# Altium PCB TemperatureController(betaV1.0).PcbDoc (part 1 of 3) (continued)
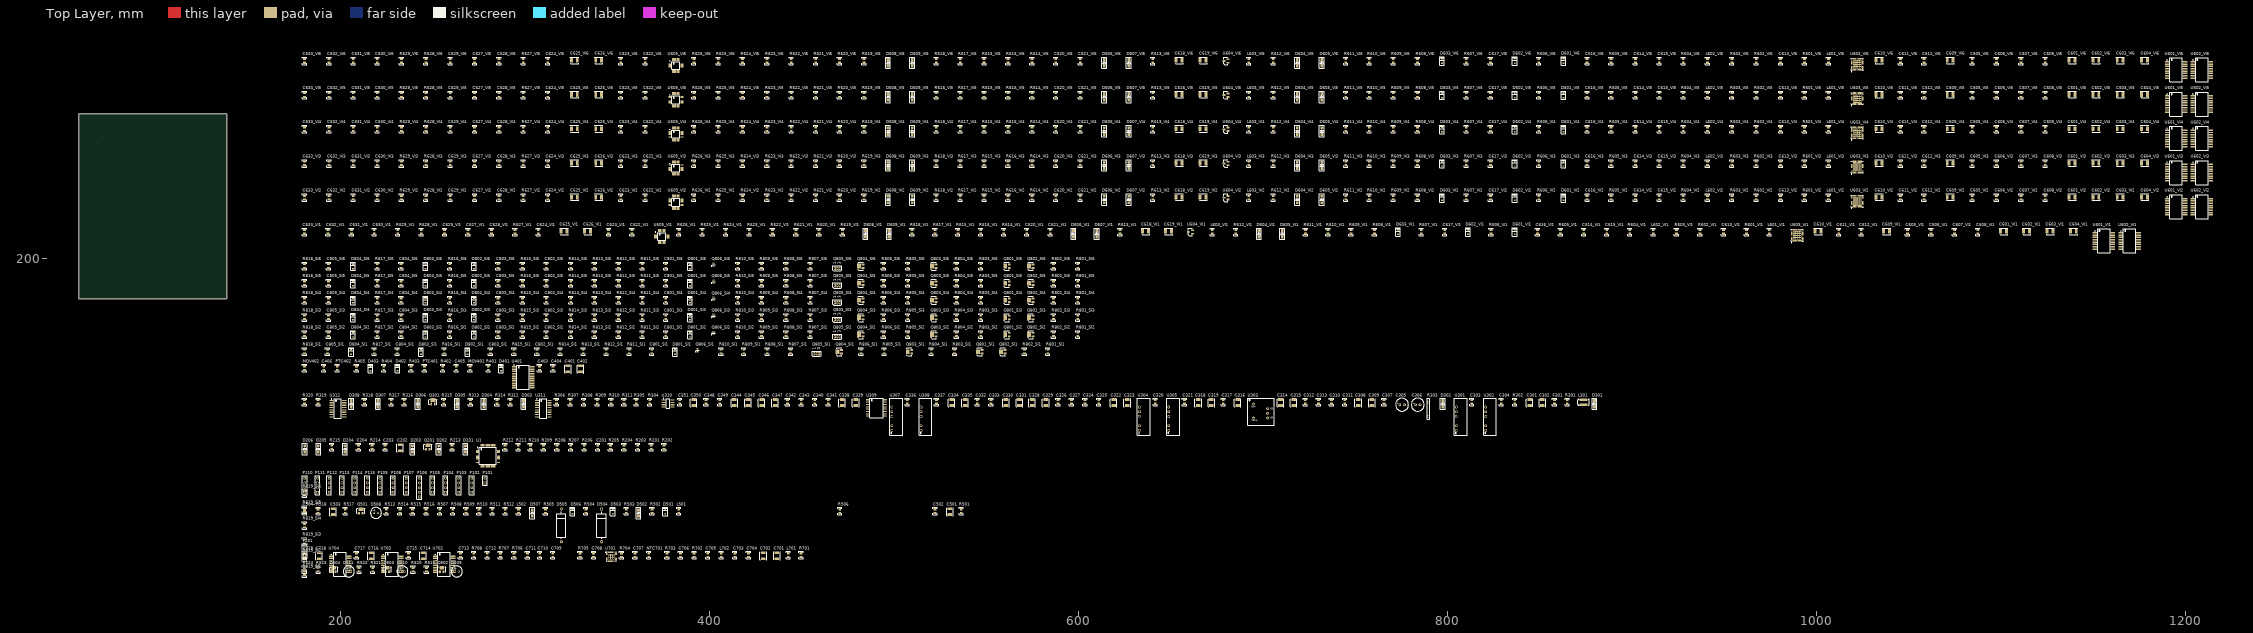
[diagram p0: Top Layer view]
## Components (designator, comment, footprint, x,y, rotation, side; value= is the part's Value field where it differs from the comment) (continued)
C608_VI2 "CC0805MRX7R9BB104" 0805c 1124.077,231.902 r90 top value=0.1uF (schematic designator C608)
C608_VI3 "CC0805MRX7R9BB104" 0805c 1124.077,250.444 r90 top value=0.1uF (schematic designator C608)
C608_VI4 "CC0805MRX7R9BB104" 0805c 1124.077,268.986 r90 top value=0.1uF (schematic designator C608)
C608_VI5 "CC0805MRX7R9BB104" 0805c 1124.077,287.528 r90 top value=0.1uF (schematic designator C608)
C608_VI6 "CC0805MRX7R9BB104" 0805c 1124.077,306.07 r90 top value=0.1uF (schematic designator C608)
C609_VI1 "T494B476K025ATAUTO" CB 1036.32,214.63 r90 top value=47uF (schematic designator C609)
C609_VI2 "T494B476K025ATAUTO" CB 1070.864,233.172 r90 top value=47uF (schematic designator C609)
C609_VI3 "T494B476K025ATAUTO" CB 1070.864,251.714 r90 top value=47uF (schematic designator C609)
C609_VI4 "T494B476K025ATAUTO" CB 1070.864,270.256 r90 top value=47uF (schematic designator C609)
C609_VI5 "T494B476K025ATAUTO" CB 1070.864,288.798 r90 top value=47uF (schematic designator C609)
C609_VI6 "T494B476K025ATAUTO" CB 1070.864,307.34 r90 top value=47uF (schematic designator C609)
C610_VI1 "T494B476K025ATAUTO" CB 999.236,214.63 r90 top value=47uF (schematic designator C610)
C610_VI2 "T494B476K025ATAUTO" CB 1032.256,233.172 r90 top value=47uF (schematic designator C610)
C610_VI3 "T494B476K025ATAUTO" CB 1032.256,251.714 r90 top value=47uF (schematic designator C610)
C610_VI4 "T494B476K025ATAUTO" CB 1032.256,270.256 r90 top value=47uF (schematic designator C610)
C610_VI5 "T494B476K025ATAUTO" CB 1032.256,288.798 r90 top value=47uF (schematic designator C610)
C610_VI6 "T494B476K025ATAUTO" CB 1032.256,307.34 r90 top value=47uF (schematic designator C610)
C611_VI1 "CC0805MRX7R9BB104" 0805c 1012.063,213.36 r90 top value=0.1uF (schematic designator C611)
C611_VI2 "CC0805MRX7R9BB104" 0805c 1045.591,231.902 r90 top value=0.1uF (schematic designator C611)
C611_VI3 "CC0805MRX7R9BB104" 0805c 1045.591,250.444 r90 top value=0.1uF (schematic designator C611)
C611_VI4 "CC0805MRX7R9BB104" 0805c 1045.591,268.986 r90 top value=0.1uF (schematic designator C611)
C611_VI5 "CC0805MRX7R9BB104" 0805c 1045.591,287.528 r90 top value=0.1uF (schematic designator C611)
C611_VI6 "CC0805MRX7R9BB104" 0805c 1045.591,306.07 r90 top value=0.1uF (schematic designator C611)
C612_VI1 "CC0805MRX7R9BB104" 0805c 1024.255,213.36 r90 top value=0.1uF (schematic designator C612)
C612_VI2 "CC0805MRX7R9BB104" 0805c 1058.291,231.902 r90 top value=0.1uF (schematic designator C612)
C612_VI3 "CC0805MRX7R9BB104" 0805c 1058.291,250.444 r90 top value=0.1uF (schematic designator C612)
C612_VI4 "CC0805MRX7R9BB104" 0805c 1058.291,268.986 r90 top value=0.1uF (schematic designator C612)
C612_VI5 "CC0805MRX7R9BB104" 0805c 1058.291,287.528 r90 top value=0.1uF (schematic designator C612)
C612_VI6 "CC0805MRX7R9BB104" 0805c 1058.291,306.07 r90 top value=0.1uF (schematic designator C612)
C613_VI1 "" 0805c 949.579,213.36 r90 top value=2.2uF (schematic designator C613)
C613_VI2 "" 0805c 980.567,231.902 r90 top value=2.2uF (schematic designator C613)
C613_VI3 "" 0805c 980.567,250.444 r90 top value=2.2uF (schematic designator C613)
C613_VI4 "" 0805c 980.567,268.986 r90 top value=2.2uF (schematic designator C613)
C613_VI5 "" 0805c 980.567,287.528 r90 top value=2.2uF (schematic designator C613)
C613_VI6 "" 0805c 980.567,306.07 r90 top value=2.2uF (schematic designator C613)
C614_VI1 "" 0805c 873.887,213.36 r90 top value=22nF (schematic designator C614)
C614_VI2 "" 0805c 901.827,231.902 r90 top value=22nF (schematic designator C614)
C614_VI3 "" 0805c 901.827,250.444 r90 top value=22nF (schematic designator C614)
C614_VI4 "" 0805c 901.827,268.986 r90 top value=22nF (schematic designator C614)
C614_VI5 "" 0805c 901.827,287.528 r90 top value=22nF (schematic designator C614)
C614_VI6 "" 0805c 901.827,306.07 r90 top value=22nF (schematic designator C614)
C615_VI1 "" 0805c 886.333,213.36 r90 top value=2.2uF (schematic designator C615)
C615_VI2 "" 0805c 914.781,231.902 r90 top value=2.2uF (schematic designator C615)
C615_VI3 "" 0805c 914.781,250.444 r90 top value=2.2uF (schematic designator C615)
C615_VI4 "" 0805c 914.781,268.986 r90 top value=2.2uF (schematic designator C615)
C615_VI5 "" 0805c 914.781,287.528 r90 top value=2.2uF (schematic designator C615)
C615_VI6 "" 0805c 914.781,306.07 r90 top value=2.2uF (schematic designator C615)
C616_VI1 "" 0805c 848.741,213.36 r90 top value=NC (schematic designator C616)
C616_VI2 "" 0805c 875.665,231.902 r90 top value=NC (schematic designator C616)
C616_VI3 "" 0805c 875.665,250.444 r90 top value=NC (schematic designator C616)
C616_VI4 "" 0805c 875.665,268.986 r90 top value=NC (schematic designator C616)
C616_VI5 "" 0805c 875.665,287.528 r90 top value=NC (schematic designator C616)
C616_VI6 "" 0805c 875.665,306.07 r90 top value=NC (schematic designator C616)
C617_VI1 "" 0805c 798.449,213.36 r90 top value=4nF (schematic designator C617)
C617_VI2 "" 0805c 823.341,231.902 r90 top value=4nF (schematic designator C617)
C617_VI3 "" 0805c 823.341,250.444 r90 top value=4nF (schematic designator C617)
C617_VI4 "" 0805c 823.341,268.986 r90 top value=4nF (schematic designator C617)
C617_VI5 "" 0805c 823.341,287.528 r90 top value=4nF (schematic designator C617)
C617_VI6 "" 0805c 823.341,306.07 r90 top value=4nF (schematic designator C617)
C618_VI1 "T494B106M006AHAUTO" CB 634.619,214.63 r90 top value=10uF (schematic designator C618)
C618_VI2 "T494B106M006AHAUTO" CB 652.78,233.172 r90 top value=10uF (schematic designator C618)
C618_VI3 "T494B106M006AHAUTO" CB 652.78,251.714 r90 top value=10uF (schematic designator C618)
C618_VI4 "T494B106M006AHAUTO" CB 652.78,270.256 r90 top value=10uF (schematic designator C618)
C618_VI5 "T494B106M006AHAUTO" CB 652.78,288.798 r90 top value=10uF (schematic designator C618)
C618_VI6 "T494B106M006AHAUTO" CB 652.78,307.34 r90 top value=10uF (schematic designator C618)
C619_VI1 "T494B106M006AHAUTO" CB 647.065,214.63 r90 top value=10uF (schematic designator C619)
C619_VI2 "T494B106M006AHAUTO" CB 665.861,233.172 r90 top value=10uF (schematic designator C619)
C619_VI3 "T494B106M006AHAUTO" CB 665.861,251.714 r90 top value=10uF (schematic designator C619)
C619_VI4 "T494B106M006AHAUTO" CB 665.861,270.256 r90 top value=10uF (schematic designator C619)
C619_VI5 "T494B106M006AHAUTO" CB 665.861,288.798 r90 top value=10uF (schematic designator C619)
C619_VI6 "T494B106M006AHAUTO" CB 665.861,307.34 r90 top value=10uF (schematic designator C619)
C620_VI1 "CC0805MRX7R9BB104" 0805c 571.881,213.36 r90 top value=0.1uF (schematic designator C620)
C620_VI2 "CC0805MRX7R9BB104" 0805c 587.629,231.902 r90 top value=0.1uF (schematic designator C620)
C620_VI3 "CC0805MRX7R9BB104" 0805c 587.629,250.444 r90 top value=0.1uF (schematic designator C620)
C620_VI4 "CC0805MRX7R9BB104" 0805c 587.629,268.986 r90 top value=0.1uF (schematic designator C620)
C620_VI5 "CC0805MRX7R9BB104" 0805c 587.629,287.528 r90 top value=0.1uF (schematic designator C620)
C620_VI6 "CC0805MRX7R9BB104" 0805c 587.629,306.07 r90 top value=0.1uF (schematic designator C620)
C621_VI1 "CC0805MRX7R9BB104" 0805c 584.581,213.36 r90 top value=0.1uF (schematic designator C621)
C621_VI2 "CC0805MRX7R9BB104" 0805c 600.837,231.902 r90 top value=0.1uF (schematic designator C621)
C621_VI3 "CC0805MRX7R9BB104" 0805c 600.837,250.444 r90 top value=0.1uF (schematic designator C621)
C621_VI4 "CC0805MRX7R9BB104" 0805c 600.837,268.986 r90 top value=0.1uF (schematic designator C621)
C621_VI5 "CC0805MRX7R9BB104" 0805c 600.837,287.528 r90 top value=0.1uF (schematic designator C621)
C621_VI6 "CC0805MRX7R9BB104" 0805c 600.837,306.07 r90 top value=0.1uF (schematic designator C621)
C622_VI1 "" 0805c 357.886,213.36 r90 top value=NC (schematic designator C622)
C622_VI2 "" 0805c 364.998,231.902 r90 top value=NC (schematic designator C622)
C622_VI3 "" 0805c 364.998,250.444 r90 top value=NC (schematic designator C622)
C622_VI4 "" 0805c 364.998,268.986 r90 top value=NC (schematic designator C622)
C622_VI5 "" 0805c 364.998,287.528 r90 top value=NC (schematic designator C622)
C622_VI6 "" 0805c 364.998,306.07 r90 top value=NC (schematic designator C622)
C623_VI1 "" 0805c 345.186,213.36 r90 top value=NC (schematic designator C623)
C623_VI2 "" 0805c 351.79,231.902 r90 top value=NC (schematic designator C623)
C623_VI3 "" 0805c 351.79,250.444 r90 top value=NC (schematic designator C623)
C623_VI4 "" 0805c 351.79,268.986 r90 top value=NC (schematic designator C623)
C623_VI5 "" 0805c 351.79,287.528 r90 top value=NC (schematic designator C623)
C623_VI6 "" 0805c 351.79,306.07 r90 top value=NC (schematic designator C623)
C624_VI1 "" 0805c 307.086,213.36 r90 top value=300pF (schematic designator C624)
C624_VI2 "" 0805c 312.166,231.902 r90 top value=300pF (schematic designator C624)
C624_VI3 "" 0805c 312.166,250.444 r90 top value=300pF (schematic designator C624)
C624_VI4 "" 0805c 312.166,268.986 r90 top value=300pF (schematic designator C624)
C624_VI5 "" 0805c 312.166,287.528 r90 top value=300pF (schematic designator C624)
C624_VI6 "" 0805c 312.166,306.07 r90 top value=300pF (schematic designator C624)
C625_VI1 "T494B106M006AHAUTO" CB 319.405,214.63 r90 top value=10uF (schematic designator C625)
C625_VI2 "T494B106M006AHAUTO" CB 324.993,233.172 r90 top value=10uF (schematic designator C625)
C625_VI3 "T494B106M006AHAUTO" CB 324.993,251.714 r90 top value=10uF (schematic designator C625)
C625_VI4 "T494B106M006AHAUTO" CB 324.993,270.256 r90 top value=10uF (schematic designator C625)
C625_VI5 "T494B106M006AHAUTO" CB 324.993,288.798 r90 top value=10uF (schematic designator C625)
C625_VI6 "T494B106M006AHAUTO" CB 324.993,307.34 r90 top value=10uF (schematic designator C625)
C626_VI1 "T494B106M006AHAUTO" CB 332.105,214.63 r90 top value=10uF (schematic designator C626)
C626_VI2 "T494B106M006AHAUTO" CB 338.201,233.172 r90 top value=10uF (schematic designator C626)
C626_VI3 "T494B106M006AHAUTO" CB 338.201,251.714 r90 top value=10uF (schematic designator C626)
C626_VI4 "T494B106M006AHAUTO" CB 338.201,270.256 r90 top value=10uF (schematic designator C626)
C626_VI5 "T494B106M006AHAUTO" CB 338.201,288.798 r90 top value=10uF (schematic designator C626)
C626_VI6 "T494B106M006AHAUTO" CB 338.201,307.34 r90 top value=10uF (schematic designator C626)
C627_VI1 "CC0805MRX7R9BB104" 0805c 268.986,213.36 r90 top value=0.1uF (schematic designator C627)
C627_VI2 "CC0805MRX7R9BB104" 0805c 272.542,231.902 r90 top value=0.1uF (schematic designator C627)
C627_VI3 "CC0805MRX7R9BB104" 0805c 272.542,250.444 r90 top value=0.1uF (schematic designator C627)
C627_VI4 "CC0805MRX7R9BB104" 0805c 272.542,268.986 r90 top value=0.1uF (schematic designator C627)
C627_VI5 "CC0805MRX7R9BB104" 0805c 272.542,287.528 r90 top value=0.1uF (schematic designator C627)
C627_VI6 "CC0805MRX7R9BB104" 0805c 272.542,306.07 r90 top value=0.1uF (schematic designator C627)
C628_VI1 "CC0805MRX7R9BB104" 0805c 281.686,213.36 r90 top value=0.1uF (schematic designator C628)
C628_VI2 "CC0805MRX7R9BB104" 0805c 285.75,231.902 r90 top value=0.1uF (schematic designator C628)
C628_VI3 "CC0805MRX7R9BB104" 0805c 285.75,250.444 r90 top value=0.1uF (schematic designator C628)
C628_VI4 "CC0805MRX7R9BB104" 0805c 285.75,268.986 r90 top value=0.1uF (schematic designator C628)
C628_VI5 "CC0805MRX7R9BB104" 0805c 285.75,287.528 r90 top value=0.1uF (schematic designator C628)
C628_VI6 "CC0805MRX7R9BB104" 0805c 285.75,306.07 r90 top value=0.1uF (schematic designator C628)
C629_VI1 "" 0805c 256.286,213.36 r90 top value=150pF (schematic designator C629)
C629_VI2 "" 0805c 259.334,231.902 r90 top value=150pF (schematic designator C629)
C629_VI3 "" 0805c 259.334,250.444 r90 top value=150pF (schematic designator C629)
C629_VI4 "" 0805c 259.334,268.986 r90 top value=150pF (schematic designator C629)
C629_VI5 "" 0805c 259.334,287.528 r90 top value=150pF (schematic designator C629)
C629_VI6 "" 0805c 259.334,306.07 r90 top value=150pF (schematic designator C629)
C630_VI1 "" 0805c 218.186,213.36 r90 top value=1uF (schematic designator C630)
C630_VI2 "" 0805c 219.71,231.902 r90 top value=1uF (schematic designator C630)
C630_VI3 "" 0805c 219.71,250.444 r90 top value=1uF (schematic designator C630)
C630_VI4 "" 0805c 219.71,268.986 r90 top value=1uF (schematic designator C630)
C630_VI5 "" 0805c 219.71,287.528 r90 top value=1uF (schematic designator C630)
C630_VI6 "" 0805c 219.71,306.07 r90 top value=1uF (schematic designator C630)
C631_VI1 "" 0805c 205.74,213.36 r90 top value=4700pF (schematic designator C631)
C631_VI2 "" 0805c 206.756,231.902 r90 top value=4700pF (schematic designator C631)
C631_VI3 "" 0805c 206.756,250.444 r90 top value=4700pF (schematic designator C631)
C631_VI4 "" 0805c 206.756,268.986 r90 top value=4700pF (schematic designator C631)
C631_VI5 "" 0805c 206.756,287.528 r90 top value=4700pF (schematic designator C631)
C631_VI6 "" 0805c 206.756,306.07 r90 top value=4700pF (schematic designator C631)
C632_VI1 "" 0805c 193.04,213.36 r90 top value=1uF (schematic designator C632)
C632_VI2 "" 0805c 193.548,231.902 r90 top value=1uF (schematic designator C632)
C632_VI3 "" 0805c 193.548,250.444 r90 top value=1uF (schematic designator C632)
C632_VI4 "" 0805c 193.548,268.986 r90 top value=1uF (schematic designator C632)
C632_VI5 "" 0805c 193.548,287.528 r90 top value=1uF (schematic designator C632)
C632_VI6 "" 0805c 193.548,306.07 r90 top value=1uF (schematic designator C632)
C633_VI1 "" 0805c 180.34,213.36 r90 top value=22nF (schematic designator C633)
C633_VI2 "" 0805c 180.34,231.902 r90 top value=22nF (schematic designator C633)
C633_VI3 "" 0805c 180.34,250.444 r90 top value=22nF (schematic designator C633)
C633_VI4 "" 0805c 180.34,268.986 r90 top value=22nF (schematic designator C633)
C633_VI5 "" 0805c 180.34,287.528 r90 top value=22nF (schematic designator C633)
C633_VI6 "" 0805c 180.34,306.07 r90 top value=22nF (schematic designator C633)
C701 "T494B106M006AHAUTO" CB 436.372,40.386 r0 top value=10uF
C702 "T494B106M006AHAUTO" CB 429.006,40.386 r0 top value=10uF
C703 "CC0805MRX7R9BB104" 0805c 413.639,38.1 r90 top value=0.1uF
C704 "CC0805MRX7R9BB104" 0805c 421.005,38.1 r90 top value=0.1uF
C705 "CC0805MRX7R9BB103" 0805c 398.907,38.1 r90 top value=0.01uF
C706 "CC0805MRX7R9BB104" 0805c 384.175,38.1 r90 top value=0.1uF
C707 "CC0805MRX7R9BB103" 0805c 359.537,38.1 r90 top value=0.01uF
C708 "CC0805MRX7R9BB104" 0805c 337.058,38.1 r90 top value=0.1uF
C709 "CC0805MRX7R9BB104" 0805c 314.96,38.1 r90 top value=0.1uF
C710 "CC0805MRX7R9BB104" 0805c 307.848,38.1 r90 top value=0.1uF
C711 "CC0805MRX7R9BB103" 0805c 301.244,38.1 r90 top value=0.01uF
C712 "CC0805MRX7R9BB104" 0805c 279.4,38.1 r90 top value=0.1uF
C713 "CC0805MRX7R9BB103" 0805c 264.922,38.1 r90 top value=0.01uF
C714 "T494B106M006AHAUTO" CB 244.602,40.386 r0 top value=10uF
C715 "CC0805MRX7R9BB104" 0805c 236.728,38.1 r90 top value=0.1uF
C716 "T494B106M006AHAUTO" CB 216.408,40.386 r0 top value=10uF
C717 "CC0805MRX7R9BB104" 0805c 208.534,38.1 r90 top value=0.1uF
C718 "T494B106M006AHAUTO" CB 188.214,40.386 r0 top value=10uF
C719 "CC0805MRX7R9BB104" 0805c 180.34,38.1 r90 top value=0.1uF
C801_SI1 "CC0805MRX7R9BB103" 0805c 368.554,148.463 r90 top value=0.01uF (schematic designator C801)
C801_SI2 "CC0805MRX7R9BB103" 0805c 376.174,157.734 r90 top value=0.01uF (schematic designator C801)
C801_SI3 "CC0805MRX7R9BB103" 0805c 376.174,167.005 r90 top value=0.01uF (schematic designator C801)
C801_SI4 "CC0805MRX7R9BB103" 0805c 376.174,176.276 r90 top value=0.01uF (schematic designator C801)
C801_SI5 "CC0805MRX7R9BB103" 0805c 376.174,185.547 r90 top value=0.01uF (schematic designator C801)
C801_SI6 "CC0805MRX7R9BB103" 0805c 376.174,194.818 r90 top value=0.01uF (schematic designator C801)
C802_SI1 "CC0805MRX7R9BB103" 0805c 306.324,148.463 r90 top value=0.01uF (schematic designator C802)
C802_SI2 "CC0805MRX7R9BB103" 0805c 311.404,157.734 r90 top value=0.01uF (schematic designator C802)
C802_SI3 "CC0805MRX7R9BB103" 0805c 311.404,167.005 r90 top value=0.01uF (schematic designator C802)
C802_SI4 "CC0805MRX7R9BB103" 0805c 311.404,176.276 r90 top value=0.01uF (schematic designator C802)
C802_SI5 "CC0805MRX7R9BB103" 0805c 311.404,185.547 r90 top value=0.01uF (schematic designator C802)
C802_SI6 "CC0805MRX7R9BB103" 0805c 311.404,194.818 r90 top value=0.01uF (schematic designator C802)
C803_SI1 "CC0805MRX7R9BB103" 0805c 281.178,148.463 r90 top value=0.01uF (schematic designator C803)
C803_SI2 "CC0805MRX7R9BB103" 0805c 285.242,157.734 r90 top value=0.01uF (schematic designator C803)
C803_SI3 "CC0805MRX7R9BB103" 0805c 285.242,167.005 r90 top value=0.01uF (schematic designator C803)
C803_SI4 "CC0805MRX7R9BB103" 0805c 285.242,176.276 r90 top value=0.01uF (schematic designator C803)
C803_SI5 "CC0805MRX7R9BB103" 0805c 285.242,185.547 r90 top value=0.01uF (schematic designator C803)
C803_SI6 "CC0805MRX7R9BB103" 0805c 285.242,194.818 r90 top value=0.01uF (schematic designator C803)
C804_SI1 "CC0805MRX7R9BB104" 0805c 230.632,148.463 r90 top value=0.1uF (schematic designator C804)
C804_SI2 "CC0805MRX7R9BB104" 0805c 232.664,157.734 r90 top value=0.1uF (schematic designator C804)
C804_SI3 "CC0805MRX7R9BB104" 0805c 232.664,167.005 r90 top value=0.1uF (schematic designator C804)
C804_SI4 "CC0805MRX7R9BB104" 0805c 232.664,176.276 r90 top value=0.1uF (schematic designator C804)
C804_SI5 "CC0805MRX7R9BB104" 0805c 232.664,185.547 r90 top value=0.1uF (schematic designator C804)
C804_SI6 "CC0805MRX7R9BB104" 0805c 232.664,194.818 r90 top value=0.1uF (schematic designator C804)
C805_SI1 "CC0805MRX7R9BB103" 0805c 192.786,148.463 r90 top value=0.01uF (schematic designator C805)
C805_SI2 "CC0805MRX7R9BB103" 0805c 193.294,157.734 r90 top value=0.01uF (schematic designator C805)
C805_SI3 "CC0805MRX7R9BB103" 0805c 193.294,167.005 r90 top value=0.01uF (schematic designator C805)
C805_SI4 "CC0805MRX7R9BB103" 0805c 193.294,176.276 r90 top value=0.01uF (schematic designator C805)
C805_SI5 "CC0805MRX7R9BB103" 0805c 193.294,185.547 r90 top value=0.01uF (schematic designator C805)
C805_SI6 "CC0805MRX7R9BB103" 0805c 193.294,194.818 r90 top value=0.01uF (schematic designator C805)
D201 "BAT41" SOD123 267.589,94.869 r90 top
D202 "BAT41" SOD123 253.111,94.869 r90 top
D203 "BAT41" SOD123 238.887,94.869 r90 top
D204 "BAT41" SOD123 202.311,94.869 r90 top
D205 "BAT41" SOD123 187.833,94.869 r90 top
D206 "BAT41" SOD123 180.467,94.869 r90 top
D301 "1N5819HW" sod123 879.602,119.38 r90 top
D302 "1N5819HW" sod123 797.433,119.38 r90 top
D303 "BAT41" SOD123 299.085,119.38 r90 top
D304 "BAT41" SOD123 277.495,119.38 r90 top
D305 "BAT41" SOD123 263.017,119.38 r90 top
D306 "BAT41" SOD123 241.681,119.38 r90 top
D307 "BAT41" SOD123 220.091,119.38 r90 top
D308 "BAT41" SOD123 205.613,119.38 r90 top
D401 "SD15CT1" sod323 286.893,139.065 r90 top
D402 "SD15CT1" sod323 230.759,139.065 r90 top
D403 "SD15CT1" sod323 216.027,139.065 r90 top
D501 "SD15CT1" sod323 375.92,61.595 r90 top
D502 "BAT41" SOD123 361.442,60.198 r90 top
D503 "SD15CT1" sod323 347.472,61.595 r90 top
D504 "BZX584C5V6" DIODE-0.7 341.376,55.245 r90 top
D505 "BZX584C5V6" DIODE-0.7 319.532,55.245 r90 top
D506 "SD15CT1" sod323 325.628,61.595 r90 top
D507 "BAT41" SOD123 303.784,60.198 r90 top
D508 "150080GS75000" LEDΦ3.0 217.932,61.976 r0 top
D509 "150080GS75000" LEDΦ3.0 261.747,30.226 r0 top
D510 "150080GS75000" LEDΦ3.0 232.283,30.226 r0 top
D511 "150080GS75000" LEDΦ3.0 203.2,30.226 r0 top
D601_VI1 "SD15CT1" sod323 836.422,212.979 r90 top (schematic designator D601)
D601_VI2 "SD15CT1" sod323 862.838,231.521 r90 top (schematic designator D601)
D601_VI3 "SD15CT1" sod323 862.838,250.063 r90 top (schematic designator D601)
D601_VI4 "SD15CT1" sod323 862.838,268.605 r90 top (schematic designator D601)
D601_VI5 "SD15CT1" sod323 862.838,287.147 r90 top (schematic designator D601)
D601_VI6 "SD15CT1" sod323 862.838,305.689 r90 top (schematic designator D601)
D602_VI1 "SD15CT1" sod323 811.022,212.979 r90 top (schematic designator D602)
D602_VI2 "SD15CT1" sod323 836.422,231.521 r90 top (schematic designator D602)
D602_VI3 "SD15CT1" sod323 836.422,250.063 r90 top (schematic designator D602)
D602_VI4 "SD15CT1" sod323 836.422,268.605 r90 top (schematic designator D602)
D602_VI5 "SD15CT1" sod323 836.422,287.147 r90 top (schematic designator D602)
D602_VI6 "SD15CT1" sod323 836.422,305.689 r90 top (schematic designator D602)
D603_VI1 "SD15CT1" sod323 773.176,212.979 r90 top (schematic designator D603)
D603_VI2 "SD15CT1" sod323 797.052,231.521 r90 top (schematic designator D603)
D603_VI3 "SD15CT1" sod323 797.052,250.063 r90 top (schematic designator D603)
D603_VI4 "SD15CT1" sod323 797.052,268.605 r90 top (schematic designator D603)
D603_VI5 "SD15CT1" sod323 797.052,287.147 r90 top (schematic designator D603)
D603_VI6 "SD15CT1" sod323 797.052,305.689 r90 top (schematic designator D603)
D604_VI1 "1N5819HW" sod123 697.738,211.582 r90 top (schematic designator D604)
D604_VI2 "1N5819HW" sod123 718.566,230.124 r90 top (schematic designator D604)
D604_VI3 "1N5819HW" sod123 718.566,248.666 r90 top (schematic designator D604)
D604_VI4 "1N5819HW" sod123 718.566,267.208 r90 top (schematic designator D604)
D604_VI5 "1N5819HW" sod123 718.566,285.75 r90 top (schematic designator D604)
D604_VI6 "1N5819HW" sod123 718.566,304.292 r90 top (schematic designator D604)
D605_VI1 "1N5819HW" sod123 710.438,211.582 r90 top (schematic designator D605)
D605_VI2 "1N5819HW" sod123 731.774,230.124 r90 top (schematic designator D605)
D605_VI3 "1N5819HW" sod123 731.774,248.666 r90 top (schematic designator D605)
D605_VI4 "1N5819HW" sod123 731.774,267.208 r90 top (schematic designator D605)
D605_VI5 "1N5819HW" sod123 731.774,285.75 r90 top (schematic designator D605)
D605_VI6 "1N5819HW" sod123 731.774,304.292 r90 top (schematic designator D605)
D606_VI1 "1N5819HW" sod123 597.154,211.582 r90 top (schematic designator D606)
D606_VI2 "1N5819HW" sod123 613.918,230.124 r90 top (schematic designator D606)
D606_VI3 "1N5819HW" sod123 613.918,248.666 r90 top (schematic designator D606)
D606_VI4 "1N5819HW" sod123 613.918,267.208 r90 top (schematic designator D606)
D606_VI5 "1N5819HW" sod123 613.918,285.75 r90 top (schematic designator D606)
D606_VI6 "1N5819HW" sod123 613.918,304.292 r90 top (schematic designator D606)
D607_VI1 "1N5819HW" sod123 609.854,211.582 r90 top (schematic designator D607)
D607_VI2 "1N5819HW" sod123 627.126,230.124 r90 top (schematic designator D607)
D607_VI3 "1N5819HW" sod123 627.126,248.666 r90 top (schematic designator D607)
D607_VI4 "1N5819HW" sod123 627.126,267.208 r90 top (schematic designator D607)
D607_VI5 "1N5819HW" sod123 627.126,285.75 r90 top (schematic designator D607)
D607_VI6 "1N5819HW" sod123 627.126,304.292 r90 top (schematic designator D607)
D608_VI1 "1N5819HW" sod123 484.505,211.582 r90 top (schematic designator D608)
D608_VI2 "1N5819HW" sod123 496.697,230.124 r90 top (schematic designator D608)
D608_VI3 "1N5819HW" sod123 496.697,248.666 r90 top (schematic designator D608)
D608_VI4 "1N5819HW" sod123 496.697,267.208 r90 top (schematic designator D608)
D608_VI5 "1N5819HW" sod123 496.697,285.75 r90 top (schematic designator D608)
D608_VI6 "1N5819HW" sod123 496.697,304.292 r90 top (schematic designator D608)
D609_VI1 "1N5819HW" sod123 497.205,211.582 r90 top (schematic designator D609)
D609_VI2 "1N5819HW" sod123 509.778,230.124 r90 top (schematic designator D609)
D609_VI3 "1N5819HW" sod123 509.778,248.666 r90 top (schematic designator D609)
D609_VI4 "1N5819HW" sod123 509.778,267.208 r90 top (schematic designator D609)
D609_VI5 "1N5819HW" sod123 509.778,285.75 r90 top (schematic designator D609)
D609_VI6 "1N5819HW" sod123 509.778,304.292 r90 top (schematic designator D609)
D801_SI1 "SD03C" sod323 381.127,148.082 r90 top (schematic designator D801)
D801_SI2 "SD03C" sod323 389.255,157.353 r90 top (schematic designator D801)
D801_SI3 "SD03C" sod323 389.255,166.624 r90 top (schematic designator D801)
D801_SI4 "SD03C" sod323 389.255,175.895 r90 top (schematic designator D801)
D801_SI5 "SD03C" sod323 389.255,185.166 r90 top (schematic designator D801)
D801_SI6 "SD03C" sod323 389.255,194.437 r90 top (schematic designator D801)
D802_SI1 "SD03C" sod323 268.605,148.082 r90 top (schematic designator D802)
D802_SI2 "SD03C" sod323 272.161,157.353 r90 top (schematic designator D802)
D802_SI3 "SD03C" sod323 272.161,166.624 r90 top (schematic designator D802)
D802_SI4 "SD03C" sod323 272.161,175.895 r90 top (schematic designator D802)
D802_SI5 "SD03C" sod323 272.161,185.166 r90 top (schematic designator D802)
D802_SI6 "SD03C" sod323 272.161,194.437 r90 top (schematic designator D802)
D803_SI1 "SD03C" sod323 243.459,148.082 r90 top (schematic designator D803)
D803_SI2 "SD03C" sod323 245.999,157.353 r90 top (schematic designator D803)
D803_SI3 "SD03C" sod323 245.999,166.624 r90 top (schematic designator D803)
D803_SI4 "SD03C" sod323 245.999,175.895 r90 top (schematic designator D803)
D803_SI5 "SD03C" sod323 245.999,185.166 r90 top (schematic designator D803)
D803_SI6 "SD03C" sod323 245.999,194.437 r90 top (schematic designator D803)
D804_SI1 "SD03C" sod323 205.613,148.082 r90 top (schematic designator D804)
D804_SI2 "SD03C" sod323 206.629,157.353 r90 top (schematic designator D804)
D804_SI3 "SD03C" sod323 206.629,166.624 r90 top (schematic designator D804)
D804_SI4 "SD03C" sod323 206.629,175.895 r90 top (schematic designator D804)
D804_SI5 "SD03C" sod323 206.629,185.166 r90 top (schematic designator D804)
D804_SI6 "SD03C" sod323 206.629,194.437 r90 top (schematic designator D804)
F301 "Fuse 1" 0805r 858.012,121.158 r90 top
L301 "VLS4012HBX-150M" vls4012 873.76,123.444 r0 top value=15uH
L501 "VLS4012HBX-150M" 0805R 383.159,61.976 r90 top value=47uH
L502 "VLS4012HBX-150M" 0805R 296.291,61.976 r90 top value=47uH
L601_VI1 "VLS4012HBX-150M" 0805R 974.471,213.36 r90 top value=47uH (schematic designator L601)
L601_VI2 "VLS4012HBX-150M" 0805R 1006.475,231.902 r90 top value=47uH (schematic designator L601)
L601_VI3 "VLS4012HBX-150M" 0805R 1006.475,250.444 r90 top value=47uH (schematic designator L601)
L601_VI4 "VLS4012HBX-150M" 0805R 1006.475,268.986 r90 top value=47uH (schematic designator L601)
L601_VI5 "VLS4012HBX-150M" 0805R 1006.475,287.528 r90 top value=47uH (schematic designator L601)
L601_VI6 "VLS4012HBX-150M" 0805R 1006.475,306.07 r90 top value=47uH (schematic designator L601)
L602_VI1 "VLS4012HBX-150M" 0805R 911.479,213.36 r90 top value=47uH (schematic designator L602)
L602_VI2 "VLS4012HBX-150M" 0805R 940.943,231.902 r90 top value=47uH (schematic designator L602)
L602_VI3 "VLS4012HBX-150M" 0805R 940.943,250.444 r90 top value=47uH (schematic designator L602)
L602_VI4 "VLS4012HBX-150M" 0805R 940.943,268.986 r90 top value=47uH (schematic designator L602)
L602_VI5 "VLS4012HBX-150M" 0805R 940.943,287.528 r90 top value=47uH (schematic designator L602)
L602_VI6 "VLS4012HBX-150M" 0805R 940.943,306.07 r90 top value=47uH (schematic designator L602)
L603_VI1 "VLS4012HBX-150M" 0805R 672.465,213.36 r90 top value=47uH (schematic designator L603)
L603_VI2 "VLS4012HBX-150M" 0805R 692.277,231.902 r90 top value=47uH (schematic designator L603)
L603_VI3 "VLS4012HBX-150M" 0805R 692.277,250.444 r90 top value=47uH (schematic designator L603)
L603_VI4 "VLS4012HBX-150M" 0805R 692.277,268.986 r90 top value=47uH (schematic designator L603)
L603_VI5 "VLS4012HBX-150M" 0805R 692.277,287.528 r90 top value=47uH (schematic designator L603)
L603_VI6 "VLS4012HBX-150M" 0805R 692.277,306.07 r90 top value=47uH (schematic designator L603)
L701 "VLS4012HBX-150M" 0805R 442.595,38.1 r90 top value=47uH
L702 "VLS4012HBX-150M" 0805R 406.273,38.1 r90 top value=47uH
MOV401 "" 0805r 270.002,139.446 r90 top
MOV402 "" 0805r 180.34,139.446 r90 top
NTC701 "NTCS0805E3103JHT" 0805r 366.903,38.1 r90 top
P101 "Header 2" HDR1X2 278.13,78.232 r90 top
P102 "Header 4" HDR1X4 271.018,73.152 r90 top
P103 "Header 4" HDR1X4 263.906,73.152 r90 top
P104 "Header 4" HDR1X4 256.794,73.152 r90 top
P105 "Header 4" HDR1X4 249.682,73.152 r90 top
P106 "Header 5" HDR1X5 242.57,70.612 r90 top
P107 "Header 4" HDR1X4 235.458,73.152 r90 top
P108 "Header 4" HDR1X4 228.346,73.152 r90 top
P109 "Header 4" HDR1X4 221.234,73.152 r90 top